# EAGLE board ControlModule-pan2 (EAGLE 7.2.0), part 7 of 9 (continued)
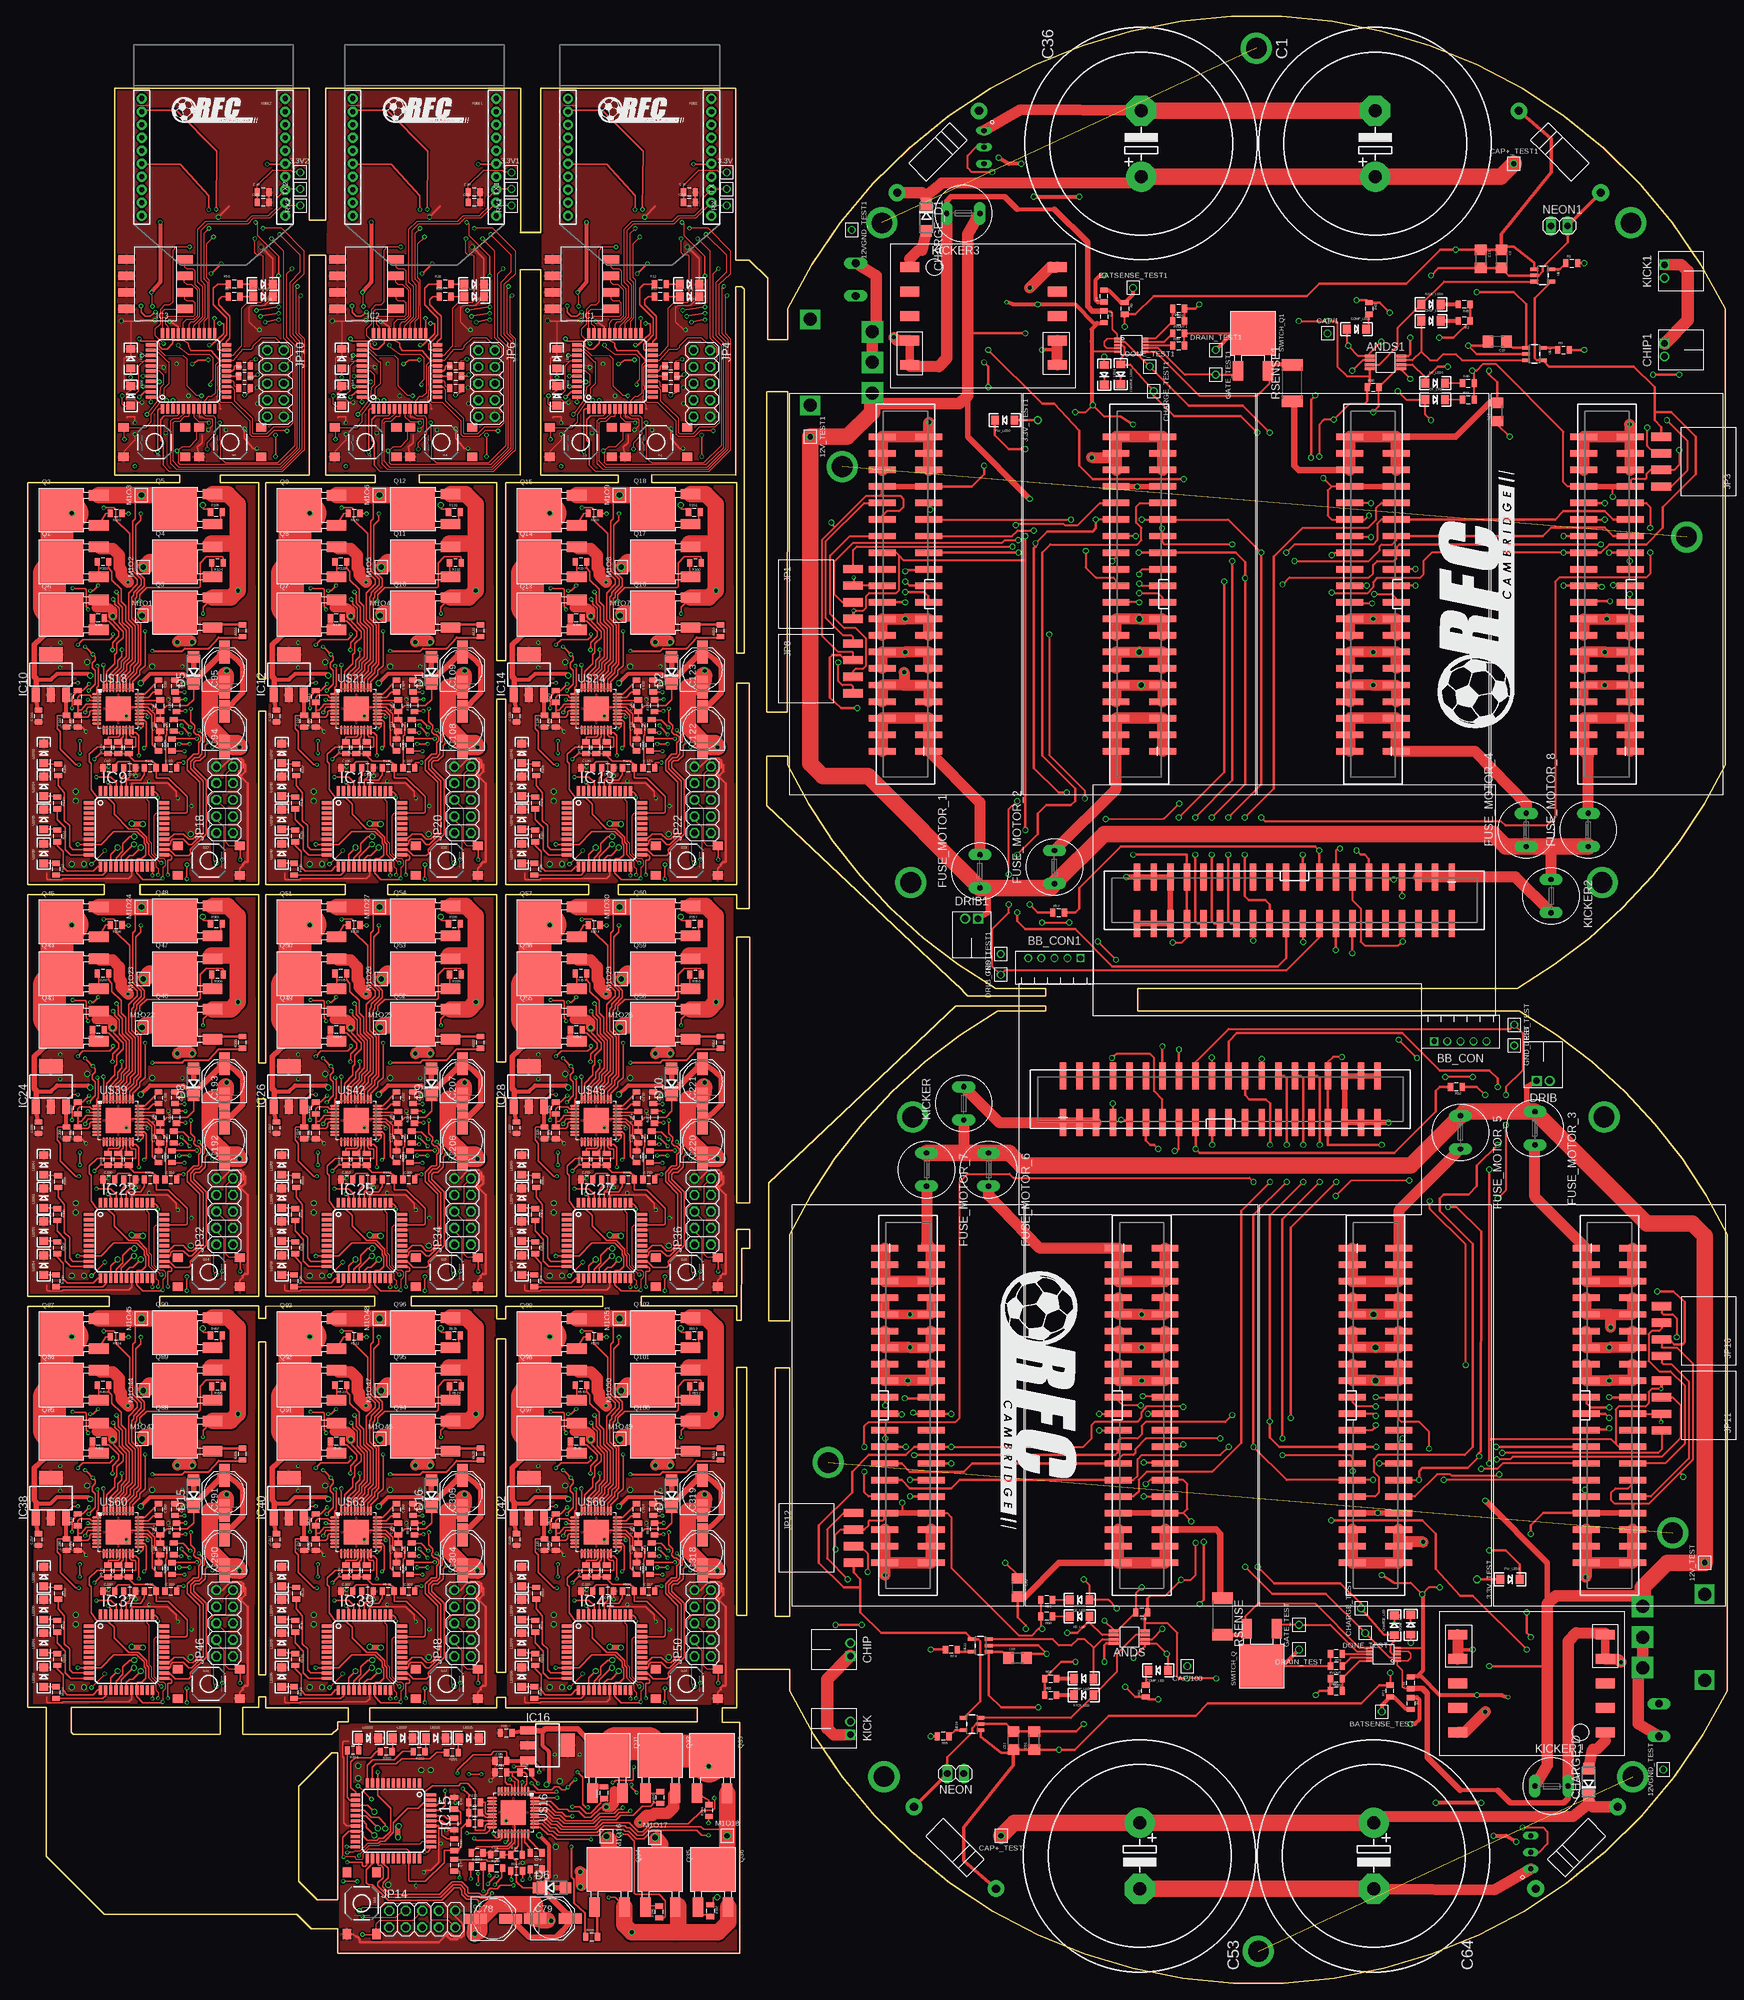
[diagram p0: board, top side]
## Tracks (layer width: path | path; a pad name or v marks a point on that pad's centre or on a via) (continued)
  Bottom 0.254: v86.44,212.38 90.26,212.38 v90.54,212.1
N$140  (via drill 0.3, 0.38)
  Top 0.254: U$24.40 84.95,202.25 v84.92,202.29
  Top 0.305: v92.44,204.47 97.04,204.47 97.42,204.85 101.08,204.85 102.6,206.54 105.72,206.54 R159.1
  Bottom 0.254: v92.44,204.47 91.49,204.47 91.17,204.16 91.17,202.73 90.69,202.25 84.95,202.25 v84.92,202.29
N$141
  Top 0.254: U$24.35 87.45,200.44 88.53,201.52 88.53,202.35 89.36,203.17 89.36,208.06 88.34,209.08 88.34,211.36 87.65,212.06 87.65,213.97 86.25,215.36 86.25,216.63 85.74,217.14 85.74,218.11 R157.1
N$142  (via drill 0.38)
  Top 0.254: U$24.32 88.95,200.03 90.06,201.14 90.06,201.71 90.69,202.41 90.69,208.63 89.8,209.52 89.8,212.47 90.09,212.75 90.09,213.31 91.22,214.44 91.22,215.56 89.85,216.93 89.85,217.92 89.93,218 89.93,223.75 90.69,224.51 v90.69,225.52 | v88.79,225.52 87.85,225.52 R158.1
  Bottom 0.254: v90.69,225.52 v88.79,225.52
N$143  (via drill 0.3)
  Top 0.254: 96.2,192.41 R162.1 95.72,191.91 v96.88,191.91 | U$24.21 90.88,193.33 91.07,193.33 91.07,192.95 90.69,192.57 v90.38,192.57
  Bottom 0.254: v90.38,192.57 90.54,192.57 91.33,191.93 96.89,191.93 96.89,191.91 v96.88,191.91
N$144
  Top 0.254: R165.1 75.91,187.12 LED41.A
N$145
  Top 0.254: LED42.A 77.7,182.18 R166.1
N$146
  Top 0.254: LED43.A 77.7,177.1 R167.1
N$147
  Top 0.254: R168.1 75.79,171.88 LED44.A
N$148  (via drill 0.3)
  Top 0.254: v98.17,191.66 96.93,192.9 v96.93,193.04
  Bottom 0.254: R153.2 97.41,186.38 97.2,186.38 96.57,187.01 96.57,187.8 96.73,187.96 97.84,187.96 98.79,188.92 98.79,189.71 98.95,189.87 98.95,190.34 98.17,191.12 v98.17,191.66 | v96.93,193.04 93.79,193.04 JP21.25
N$149
  Top 0.254: IC13.40 87.67,184.95 88.15,185.42 88.15,186.43 C119.2
N$150
  Top 0.254: U$24.30 91.25,197.83 C118.1
N$151
  Top 0.254: U$24.28 93.27,196.83 C126.2
N$152
  Top 0.254: U$24.25 91.67,195.33 92.38,194.63 92.38,192.54 92.4,192.53 92.4,192.52 92.44,192.47 92.44,190.08 C117.2
N$153  (via drill 0.3)
  Top 0.254: U$24.20 89.45,191.94 89.58,191.93 89.9,191.93 90.38,191.46 v90.38,188.44 | v97.36,189.07 96.04,189.07 R163.1
  Bottom 0.254: v90.38,188.44 91.81,189.07 v97.36,189.07
N$154
  Top 0.254: U$24.18 88.45,190.89 R174.2
N$155
  Top 0.254: U$24.17 87.95,191.33 87.21,190.59 R169.2
N$156
  Top 0.254: 87.45,191.71 U$24.16 87.45,191.51 87.22,191.27 85.64,191.27 | 85.64,191.27 R175.2 | 85.64,191.27
N$157  (via drill 0.3)
  Top 0.254: U$24.22 90.54,193.83 90.54,193.84 91.17,193.84 91.49,193.52 91.49,189.87 v91.17,189.55 | v97.52,195.27 96.04,195.27 R176.1
  Bottom 0.254: v91.17,189.55 96.89,189.55 97.36,189.87 97.36,191.43 97.52,191.6 97.52,192.69 97.62,192.78 97.62,193.46 97.84,193.68 97.84,194.95 v97.52,195.27
N$158
  Bottom 0.254: R177.2 96.73,179.71 96.09,180.34 96.09,181.03 95.62,181.5 95.62,182.06 96.09,182.54 96.09,183.56 95.34,184.31 94.03,184.31 | 94.03,184.31 | JP21.31 93.71,185.5 93.71,184.63 94.03,184.31
N$159
  Top 0.254: 81.01,195.42 81.55,195.42 82.33,196.33 U$24.4 | 81.01,196.22 80.95,196.33 R179.1 81.01,197.33 81.34,197.66 82.83,197.66 83.16,197.33 83.3,197.33 U$24.2 | 83.78,195.33 U$24.6 83.05,195.33 82.84,195.13 82.84,194.67 82.52,194.35 81.24,194.35 R178.2
  Top 0.305: R179.1 81.01,196.22 81.01,195.42 R178.2
N$160
  Top 0.254: U$24.29 91.81,197.33 92.6,198.12 93.34,198.12 C118.2
N$161  (via drill 0.6)
  Top 0.406: v134.65,216.68 134.81,216.84 138.06,216.84 MOTOR5.23
  Bottom 0.406: U$27.1 139.68,191.68 145.13,197 145.13,202.71 139.41,208.43 139.41,211.92 v134.65,216.68
N$162  (via drill 0.6)
  Top 1.676: MOTOR7.7 MOTOR7.9 v206.4,199.22 MOTOR7.10 MOTOR7.8
  Bottom 0.305: U$13.11 255.2,229.61 255.3,229.7
  Bottom 0.813: U$13.11 U$13.10
  Bottom 1.676: 255.3,229.7 239.42,229.7 208.94,199.22 v206.4,199.22
N$163  (via drill 0.6)
  Top 1.676: MOTOR7.12 MOTOR7.14 v206.4,204.3 MOTOR7.13 MOTOR7.11
  Bottom 0.305: U$13.9 255.2,231.51 255.3,231.61
  Bottom 0.813: U$13.8 U$13.9
  Bottom 1.676: 255.3,231.61 238.15,231.61 210.85,204.3 v206.4,204.3
N$164  (via drill 0.6)
  Top 1.676: MOTOR7.16 MOTOR7.18 v206.4,209.38 MOTOR7.17 MOTOR7.15
  Bottom 0.305: U$13.7 255.2,233.61 255.14,233.67
  Bottom 0.813: U$13.6 U$13.7
  Bottom 1.676: v206.4,209.38 212.75,209.38 237.04,233.67 255.14,233.67
N$165  (via drill 0.6)
  Top 0.305: v206.24,211.76 202.99,211.76 MOTOR7.20
  Bottom 0.305: U$13.4 252.5,236.15 251.46,235.1 236.41,235.1 212.44,211.13 206.88,211.13 v206.24,211.76
N$166  (via drill 0.6)
  Top 0.305: v206.56,213.19 209.26,213.19 209.9,212.56 209.9,212 MOTOR7.19
  Bottom 0.305: U$13.3 252.68,237.15 251.11,235.58 236.09,235.58 212.44,211.92 207.83,211.92 v206.56,213.19
N$167  (via drill 0.6)
  Top 0.305: v212.91,214.46 MOTOR7.21
  Bottom 0.305: U$13.2 252.85,238.15 250.76,236.05 235.77,236.05 214.18,214.46 v212.91,214.46
N$168  (via drill 0.6)
  Top 0.305: v212.91,217 MOTOR7.23
  Bottom 0.305: U$13.1 253.03,239.15 250.41,236.53 235.45,236.53 215.93,217 v212.91,217
N$169  (via drill 0.6)
  Top 1.422: MOTOR8.8 MOTOR8.10 v241.96,199.22 MOTOR8.9 MOTOR8.7
  Bottom 0.305: U$14.11 254.57,204.21 254.66,204.3
  Bottom 0.813: U$14.11 U$14.10
  Bottom 1.422: 254.66,204.3 247.04,204.3 v241.96,199.22
N$170  (via drill 0.6)
  Top 1.676: MOTOR8.11 MOTOR8.13 v241.96,204.3 MOTOR8.14 MOTOR8.12
  Bottom 0.406: U$14.9 254.57,206.11 254.66,206.21
  Bottom 0.813: U$14.9 U$14.8
  Bottom 1.676: 254.66,206.21 243.87,206.21 v241.96,204.3
N$171  (via drill 0.6)
  Top 1.676: MOTOR8.15 MOTOR8.17 v242.28,209.38 MOTOR8.18 MOTOR8.16
  Bottom 0.305: U$14.6 254.57,208.33 254.5,208.27
  Bottom 0.813: U$14.7 U$14.6
  Bottom 1.676: 254.5,208.27 243.39,208.27 v242.28,209.38
N$172  (via drill 0.6)
  Top 0.406: v242.76,212.08 238.87,212.08 MOTOR8.20
  Bottom 0.406: U$14.4 244.09,210.75 v242.76,212.08
N$173  (via drill 0.6)
  Top 0.406: v245.77,213.19 245.77,212 MOTOR8.19
  Bottom 0.406: U$14.3 247.22,211.75 v245.77,213.19
N$174  (via drill 0.6)
  Top 0.406: v243.23,214.54 245.77,214.54 MOTOR8.21
  Bottom 0.406: U$14.2 247.56,212.75 245.69,214.54 243.31,214.54 v243.23,214.54
N$175  (via drill 0.6)
  Top 0.406: v245.77,218.27 245.77,217.08 MOTOR8.23
  Bottom 0.406: U$14.1 247.76,213.75 247.04,214.46 247.04,217 v245.77,218.27
N$176  (via drill 3.17)  (1 unrouted)
  other vias: 254.5,221.96 124.96,232.75
N$177  (via drill 0.41 pad 0.25)
  Top 0.254: v35.7,255.81 36.01,255.9 38.47,256.31 v38.49,256.28 | v28.64,255.51 28.64,253.35 IC3.23
  Bottom 0.178: R61.1 24.98,233.92 25.7,233.21 34.99,233.21 35.7,233.92 37.37,235.51 39.75,235.51 41.53,237.29 41.53,251.83 38.95,254.4 38.95,254.72 39.18,254.95 39.18,255.66 38.57,256.28 v38.49,256.28
  Bottom 0.254: v35.7,255.81 35.07,255.81 34.89,255.99 29.14,255.96 v28.64,255.51
N$178  (via drill 0.41 pad 0.25)
  Top 0.178: R60.2 34.11,249.01 v34.99,249.24
  Bottom 0.178: v34.99,249.24 34.11,248.93 29.75,248.93
  Bottom 0.254: 29.75,248.93 29.27,249.48 29.27,252.34 29.11,252.5 JP9.28
N$179  (via drill 0.41 pad 0.25)
  Top 0.254: LED12.A v15.78,246.47
  Bottom 0.254: v15.78,246.47 15.78,247.42 R54.1
N$180  (via drill 0.41 pad 0.25)
  Top 0.178: 15.69,242.02 14.82,242.02 14.48,242.37 v14.48,243.61
  Top 0.254: 15.69,242.02 LED8.A
  Bottom 0.178: R55.1 14.88,243.98 14.85,243.98 v14.48,243.61
N$181
  Top 0.254: R56.1 LED10.A
N$182
  Top 0.254: R57.1 LED11.A
N$183  (via drill 0.41 pad 0.25)
  Top 0.254: R58.2 35.02,246.62 v35.26,246.87 | v27.68,249.11 27.41,249.1 27.3,249.08 26.15,249.08 v25.23,248.49
  Bottom 0.254: v35.26,246.87 35.26,247.63 34.67,248.22 29.3,248.22 v27.68,249.11 | v25.23,248.49 25.25,247.76 JP9.32
N$184  (via drill 0.41 pad 0.25)
  Top 0.254: R59.2 34.14,244.17 v33.23,243.71
  Bottom 0.254: v33.23,243.71 29.77,243.7 29.18,244.29 29.18,246.38 27.8,247.76 27.8,248.09 26.02,249.87 25,249.87 JP9.30
N$185  (via drill 0.6)
  Top 0.305: R79.2 RVOUT.2 189.96,48.66 SWITCH_Q.DRAIN
  Top 0.61: DRAIN_TEST.P$1 192.5,48.66 189.96,48.66 | U$33.P$7 219.41,51.04 219.62,51.26 219.59,51.18 v221.71,51.2
  Top 1.676: U$33.P$6 U$33.P$7
  Bottom 0.61: v221.71,51.2 DRAIN_TEST.P$1
N$186
  Top 0.305: SWITCH_Q.GATE 192.22,55.01 GATE_TEST.P$1 199.8,55.01 203.86,50.95 CHARGE_U.P$7
N$187
  Top 0.305: CHARGE_U.P$8 201.77,50.45 R79.1
N$188
  Top 0.305: CHARGE_U.P$6 204.31,51.45 197.58,58.19 188.69,58.19 186.78,56.28 186.78,54.65 SWITCH_Q.SOURCE
  Top 0.61: RSENSE.2 186.09,53.48 SWITCH_Q.SOURCE
N$189
  Top 0.305: CHARGE_U.P$10 204.35,49.45 C56.1 RBG.2
N$190
  Top 0.305: CHARGE_U.P$9 202.94,49.95 RVOUT.1
N$191
  Top 0.406: R65.1 142.28,38.82 U$34.5
N$192
  Top 0.406: R74.1 142.91,50.89 U$32.5
N$193  (via drill 0.3)
  Top 0.254: v69.1,16.83 v69.1,15.24
  Bottom 0.254: R190.2 63.22,15.98 63.22,16.67 63.54,16.99 65.45,16.99 65.76,17.31 67.03,17.31 67.35,16.99 67.35,15.72 67.83,15.24 v69.1,15.24 | JP13.27 69.57,17.62 v69.1,16.83
N$194
  Bottom 0.254: JP13.29 66.95,19.69 65.92,19.69 65.6,19.37 65.6,17.78 65.22,17.4 63.32,17.4 62.75,16.83 61.67,16.83 61.42,16.59 61.42,15.98 R191.2
N$195
  Top 0.305: 86.58,29.88 Q31.GATE
  Top 0.813: R192.2 86.58,30.15 86.58,29.88
N$196
  Top 0.254: Q32.GATE 96.82,29.18 R193.2
N$197
  Top 0.254: Q33.GATE 104.48,28.07 R194.2
N$198
  Top 0.305: 86.88,12.11 Q34.GATE
  Top 0.406: R195.2 87.39,11.72 Q34.GATE
N$199
  Top 0.254: R196.2 94.88,11.86 Q35.GATE
N$200
  Top 0.254: Q36.GATE 102.85,11.7 102.85,10.47 104.68,10.47 R197.2
N$201  (via drill 0.38)
  Top 0.254: R192.1 88.15,28.08 87.93,27.85 87.93,27.66 86.34,26.07 85.64,26.07 84.67,27.04 83.58,27.04 v83.55,27.07 | U$16.38 79.82,27.45 81,26.26 81.89,26.26 82.53,25.63 v83.54,25.63
  Bottom 0.254: v83.55,27.07 v83.55,25.63 v83.54,25.63
N$202  (via drill 0.38, 0.6)
  Top 0.254: U$16.34 79.21,25.45 80.31,24.36 81.07,24.36 81.83,23.59 87.16,23.59 88.18,24.61 92.27,24.61 93.62,23.26 94.33,23.26 95.52,24.44 101.35,24.44 103.44,26.53 105.08,26.53 105.39,26.85 105.39,28.36 v105.34,28.41 | v105.75,13.21 105.75,13.11 105.15,13.11 105.15,12.04 R197.1
  Bottom 0.254: v105.75,13.21 106.21,13.67 106.21,15.53 108.58,17.9 108.58,25.17 v105.34,28.41
N$203  (via drill 0.38)
  Top 0.254: U$16.37 79.62,26.95 80.81,25.75 81.7,25.75 82.53,24.93 86.59,24.93 87.74,26.04 89.95,26.04 90.59,26.71 91.04,26.71 v91.29,26.96 | R196.1 97.63,10.06 97.83,10.26 97.83,12.67 96.88,13.62 93.26,13.62 93.07,13.81 93.07,21.82 92.03,22.86 v91.01,22.86
  Bottom 0.254: v91.29,26.96 91.29,23.14 v91.01,22.86
N$204  (via drill 0.3, 0.38)
  Top 0.254: U$16.40 81.16,28.45 v81.21,28.48
  Top 0.305: v83.38,20.96 83.38,16.35 83.77,15.97 83.77,12.32 85.45,10.8 85.45,7.68 R195.1
  Bottom 0.254: v83.38,20.96 83.38,21.91 83.07,22.23 81.64,22.23 81.16,22.7 81.16,28.45 v81.21,28.48
N$205
  Top 0.254: U$16.35 79.35,25.95 80.43,24.86 81.26,24.86 82.08,24.04 86.97,24.04 87.99,25.05 90.27,25.05 90.97,25.75 92.88,25.75 94.27,27.15 95.55,27.15 96.05,27.66 97.02,27.66 R193.1
N$206  (via drill 0.38)
  Top 0.254: U$16.32 78.94,24.45 80.05,23.34 80.62,23.34 81.32,22.7 87.54,22.7 88.43,23.59 91.38,23.59 91.66,23.31 92.22,23.31 93.35,22.18 94.47,22.18 95.84,23.55 96.83,23.55 96.92,23.47 102.66,23.47 103.42,22.7 v104.44,22.7 | v104.44,24.61 104.44,25.55 R194.1
  Bottom 0.254: v104.44,22.7 v104.44,24.61
N$207  (via drill 0.3)
  Top 0.254: 71.32,17.2 R198.1 70.82,17.68 v70.82,16.52 | U$16.21 72.24,22.52 72.24,22.32 71.86,22.32 71.48,22.7 v71.48,23.02
  Bottom 0.254: v71.48,23.02 71.48,22.86 70.84,22.07 70.84,16.51 v70.82,16.51 v70.82,16.52
N$208
  Top 0.254: R201.1 66.03,37.49 LED25.A
N$209
  Top 0.254: LED26.A 61.09,35.7 R202.1
N$210
  Top 0.254: LED27.A 56.01,35.7 R203.1
N$211
  Top 0.254: R204.1 50.79,37.61 LED28.A
N$212  (via drill 0.3)
  Top 0.254: v70.57,15.23 71.81,16.47 v71.95,16.47
  Bottom 0.254: R189.2 65.29,15.98 65.29,16.2 65.92,16.83 66.72,16.83 66.87,16.67 66.87,15.56 67.83,14.61 68.62,14.61 68.78,14.45 69.26,14.45 70.04,15.23 v70.57,15.23 | v71.95,16.47 71.95,19.61 JP13.25
N$213
  Top 0.254: IC15.40 63.86,25.73 64.33,25.24 65.34,25.24 C75.2
N$214
  Top 0.254: U$16.30 76.74,22.15 C74.1
N$215
  Top 0.254: U$16.28 75.74,20.13 C82.2
N$216
  Top 0.254: U$16.25 74.24,21.72 73.54,21.02 71.45,21.02 71.44,21 71.43,21 71.38,20.96 68.99,20.96 C73.2
N$217  (via drill 0.3)
  Top 0.254: U$16.20 70.85,23.95 70.84,23.82 70.84,23.5 70.37,23.02 v67.35,23.02 | v67.99,16.04 67.99,17.36 R199.1
  Bottom 0.254: v67.35,23.02 67.99,21.59 v67.99,16.04
N$218
  Top 0.254: U$16.18 69.8,24.95 R210.2
N$219
  Top 0.254: U$16.17 70.24,25.45 69.5,26.19 R205.2
N$220
  Top 0.254: 70.62,25.95 U$16.16 70.42,25.95 70.19,26.18 70.19,27.76 | 70.19,27.76 R211.2 | 70.19,27.76
N$221  (via drill 0.3)
  Top 0.254: U$16.22 72.74,22.86 72.75,22.86 72.75,22.23 72.43,21.91 68.78,21.91 v68.46,22.23 | v74.18,15.88 74.18,17.36 R212.1
  Bottom 0.254: v68.46,22.23 68.46,16.51 68.78,16.04 70.34,16.04 70.51,15.87 71.6,15.87 71.69,15.78 72.37,15.78 72.59,15.56 73.86,15.56 v74.18,15.88
N$222
  Bottom 0.254: R213.2 58.62,16.67 59.25,17.31 59.94,17.31 60.41,17.78 60.97,17.78 61.45,17.31 62.47,17.31 63.22,18.06 63.22,19.37 | 63.22,19.37 | JP13.31 64.41,19.69 63.54,19.69 63.22,19.37
N$223
  Top 0.254: 74.34,32.39 74.34,31.85 75.24,31.07 U$16.4 | 75.13,32.39 75.24,32.45 R215.1 76.24,32.39 76.57,32.06 76.57,30.57 76.24,30.24 76.24,30.1 U$16.2 | 74.24,29.62 U$16.6 74.24,30.35 74.04,30.56 73.58,30.56 73.26,30.88 73.26,32.16 R214.2
  Top 0.305: R215.1 75.13,32.39 74.34,32.39 R214.2
N$224
  Top 0.254: U$16.29 76.24,21.59 77.03,20.8 77.03,20.06 C74.2
N$225  (via drill 0.6)
  Top 0.406: v138.52,51.2 R74.2
  Bottom 0.406: KICK_Q1.GATE 134.51,51.2
  Bottom 1.93: 134.51,51.2 v138.52,51.2
N$226  (via drill 0.6)
  Top 0.406: v138.52,37.87 R65.2
  Bottom 0.406: v138.52,37.87 137.22,37.2 KICK_Q.GATE
N$227
  Top 0.254: R80.1 KE_LED.C
N$228
  Top 0.254: R81.1 CE_LED.C
N$229
  Top 0.305: COMP_LED.C 171.54,47.62 R82.2
N$230
  Top 0.61: KICK_LED.C R85.2
N$231
  Top 0.61: R66.2 CHIP_LED.C
N$232  (via drill 0.6)
  Top 0.305: v212.18,55.01 DONE_LED.C
  Bottom 0.305: R68.1 v212.18,55.01
N$233  (via drill 0.6)
  Top 0.305: CHARGE_LED.C v209.64,55.01
  Bottom 0.305: v209.64,55.01 R67.1
N$234
  Bottom 0.305: R73.2 221.71,144.45 BB_CON.4
N$235
  Bottom 0.305: BB_CON.1 215.8,144.1 217.26,142.64 R75.2
N$236  (via drill 0.6)
  Top 0.406: v224.25,66.44 226.79,66.44 228.92,64.31 PW_LED1.C
  Bottom 0.406: R76.2 225.78,67.98 v224.25,66.44
N$237
  Top 1.676: MOTOR3.1 155.27,112.8 147.42,120.89
  Top 1.778: MOTOR3.1 MOTOR3.3 MOTOR3.5 MOTOR3.6 MOTOR3.4 MOTOR3.2 | FUSE_MOTOR_6.2 147.42,120.89
N$238
  Top 1.676: FUSE_MOTOR_7.2 137.89,113.51 MOTOR4.2
  Top 1.778: MOTOR4.2 MOTOR4.4 MOTOR4.6 MOTOR4.5 MOTOR4.3 MOTOR4.1
N$239
  Top 1.676: FUSE_MOTOR_5.2 210.35,118.59 210.35,112.16
  Top 1.778: MOTOR2.2 210.35,112.16 MOTOR2.4 MOTOR2.6 MOTOR2.5 MOTOR2.3 MOTOR2.1
N$240
  Top 1.676: MOTOR1.1 231.23,120.66 FUSE_MOTOR_3.2
  Top 1.778: MOTOR1.1 MOTOR1.3 MOTOR1.5 MOTOR1.6 MOTOR1.4 MOTOR1.2
N$241
  Top 1.676: KICKER.2 149.08,132.09 COM_BOARD.1 COM_BOARD.3 COM_BOARD.5
N$242  (via drill 3.17)
  other vias: 241.85,132.94
N$243  (via drill 3.17)
  other vias: 135.78,132.94
N$244  (via drill 3.17)
  other vias: 131.36,31.7
N$245  (via drill 3.17)  (1 unrouted)
  other vias: 188.81,4.91 246.27,31.7
N$246
  Bottom 0.406: R86.1 223.93,24.53 221.07,27.07 220.44,27.07 | 220.44,27.07 219.55,27.07 U$35.LOWER_RIGHT | U$36.RIGHT 230.6,25.8 228.06,28.34 224.88,28.34 222.98,30.25 221.71,30.25 220.44,28.98 220.44,27.07
N$247  (via drill 0.6)
  Top 0.305: v229.33,23.9 232.5,23.9 233.14,23.26 233.14,21.36 231.87,20.09 U$36.CENTER
  Bottom 0.305: R86.2 228.69,24.53 v229.33,23.9
  Bottom 0.406: R88.2 R87.1 226.52,18.45 226.79,18.18 228.69,18.18 229.33,18.82 229.96,18.82 230.6,19.45 U$36.CENTER
N$248  (via drill 0.6)
  Top 0.61: v222.98,27.71 v215.99,27.71
  Bottom 0.406: 214.34,27.71 U$35.LOWER_LEFT
  Bottom 0.61: R89.1 228.32,26.81 227.87,27.26 223.42,27.26 v222.98,27.71 | v215.99,27.71 214.34,27.71
N$249  (via drill 0.6)
  Top 0.61: v224.88,22.63 226.79,22.63 v228.37,21.68
  Bottom 0.406: 229.06,36.23 R90.2 | v228.37,21.68 228.37,22.26 R88.1
  Bottom 0.61: R90.2 223.61,35.96 217.26,29.61 217.26,22.63 v224.88,22.63 | U$37.4 229.06,36.23
N$250
  Bottom 0.406: U$37.1 231.41,46.95 R91.2
N$251
  Bottom 1.676: U$47.- 222.1,14.5 219.53,17.07
  Bottom 1.778: 218.4,15.14 219.53,17.07 U$35.TAB
N$252  (via drill 0.8)
  Top 1.676: MOTOR2.8 MOTOR2.10 v206.47,102.64 MOTOR2.9 MOTOR2.7
  Bottom 0.406: U$48.10 255.27,80.51 255.36,80.41
  Bottom 0.813: U$48.10 U$48.11
  Bottom 1.676: 255.36,80.41 253.06,80.41 250.04,77.4 233.3,77.4 226.15,84.46 226.15,92.16 214.56,103.75 207.58,103.75 v206.47,102.64
N$253  (via drill 0.8)
  Top 1.676: MOTOR2.12 MOTOR2.14 v206.78,97.56 MOTOR2.13 MOTOR2.11
  Bottom 0.305: U$48.8 255.27,82.38 255.2,82.32
  Bottom 0.813: U$48.8 U$48.9
  Bottom 1.676: 255.2,82.32 251.63,82.32 248.93,79.62 233.77,79.62 228.22,85.18 228.22,93.59 215.99,105.81 206.78,105.81 203.93,102.96 203.93,100.42 v206.78,97.56
N$254  (via drill 0.8)
  Top 1.676: MOTOR2.16 MOTOR2.18 v206.78,92.48 MOTOR2.17 MOTOR2.15
  Bottom 0.305: U$48.6 255.27,84.45 255.2,84.38
  Bottom 0.813: U$48.6 U$48.7
  Bottom 1.676: 255.2,84.38 250.76,84.38 247.98,81.6 234.57,81.6 230.28,85.89 230.28,94.86 216.79,108.35 205.83,108.35 201.39,103.91 201.39,97.88 v206.78,92.48
N$255  (via drill 0.6)
  Top 0.305: v206.78,89.94 MOTOR2.20
  Bottom 0.305: U$48.4 251.46,86.86 250.92,87.4 250.28,87.4 249.65,86.76 249.65,85.1 247.35,82.79 235.2,82.79 231.79,86.21 231.79,95.42 217.26,109.94 205.36,109.94 199.96,104.54 199.96,96.76 v206.78,89.94
N$256  (via drill 0.6)
  Top 0.305: v206.78,88.51 203.93,88.51 203.29,89.14 203.29,89.86 MOTOR2.19
  Bottom 0.305: U$48.3 251.41,87.86 251.08,88.19 249.96,88.19 249.01,87.24 249.01,85.33 246.95,83.27 235.6,83.27 232.34,86.45 232.34,95.65 217.42,110.58 205.2,110.58 199.32,104.7 199.32,95.97 v206.78,88.51
N$257  (via drill 0.6)
  Top 0.305: v206.78,87.08 206.39,87.4 MOTOR2.21
  Bottom 0.305: U$48.2 249.68,88.86 248.38,87.56 248.38,85.57 246.63,83.83 235.99,83.83 232.98,86.84 232.98,95.81 217.74,111.05 204.88,111.05 198.69,104.86 198.69,95.18 v206.78,87.08
N$258  (via drill 0.6)
  Top 0.305: v206.78,85.65 206.78,85.33 206.31,84.86 MOTOR2.23
  Bottom 0.305: U$48.1 249.57,89.86 247.74,88.03 247.74,85.97 246.15,84.38 236.31,84.38 233.61,87.08 233.61,96.13 218.06,111.69 204.72,111.69 198.05,105.02 198.05,94.38 v206.78,85.65
N$259  (via drill 0.6)
  Top 1.676: 242.85,102.64 MOTOR1.9 MOTOR1.7 | v242.85,100.67 242.85,102.64 | 242.85,102.64 MOTOR1.10 MOTOR1.8
  Bottom 0.406: 255.46,100.89 255.36,100.67
  Bottom 0.813: U$51.10 255.46,100.89 U$51.11
  Bottom 1.676: 255.36,100.67 v242.85,100.67
N$260  (via drill 0.6)
  Top 1.676: MOTOR1.11 MOTOR1.13 v242.66,97.56 MOTOR1.14 MOTOR1.12
  Bottom 0.305: 255.36,102.7 255.49,102.78 U$51.9
  Bottom 0.813: U$51.9 U$51.8
  Bottom 1.676: v242.66,97.56 239.49,100.8 239.49,102.7 255.36,102.7
N$261  (via drill 0.6)
  Top 1.676: MOTOR1.16 MOTOR1.18 v242.66,92.48 MOTOR1.17 MOTOR1.15
  Bottom 0.305: U$51.7 255.46,104.67 U$51.6
  Bottom 1.676: 255.46,104.67 238.38,104.67 236.69,102.89 236.69,100.35 242.66,94.38 v242.66,92.48
N$262  (via drill 0.6)
  Top 0.406: v242.66,89.94 MOTOR1.20
  Bottom 0.406: U$51.4 238.31,107.18 235.04,103.91 235.04,100.1 240.76,94.38 240.76,91.84 v242.66,89.94
N$263  (via drill 0.6)
  Top 0.406: v242.66,88.35 239.8,88.35 239.17,88.99 239.17,89.86 MOTOR1.19
  Bottom 0.406: U$51.3 238.04,108.18 234.09,104.23 234.09,99.78 239.8,94.07 239.8,91.21 v242.66,88.35
N$264  (via drill 0.6)
  Top 0.406: v242.66,86.76 242.03,87.4 MOTOR1.21
  Bottom 0.406: U$51.2 237.84,109.18 233.14,104.54 233.14,99.46 238.85,93.75 238.85,90.57 v242.66,86.76
N$265  (via drill 0.6)
  Top 0.406: v242.66,85.18 242.5,85.02 239.25,85.02 MOTOR1.23
  Bottom 0.406: U$51.1 237.63,110.18 232.18,104.86 232.18,99.15 237.9,93.43 237.9,89.94 v242.66,85.18
N$266  (via drill 0.6)
  Top 1.676: MOTOR3.7 MOTOR3.9 v170.91,102.64 MOTOR3.10 MOTOR3.8
  Bottom 0.305: U$49.11 122.11,72.25 122.01,72.16
  Bottom 0.813: U$49.11 U$49.10
  Bottom 1.676: 122.01,72.16 137.89,72.16 168.37,102.64 v170.91,102.64
N$267  (via drill 0.6)
  Top 1.676: MOTOR3.12 MOTOR3.14 v170.91,97.56 MOTOR3.13 MOTOR3.11
  Bottom 0.305: U$49.9 122.11,70.35 122.01,70.25
  Bottom 0.813: U$49.8 U$49.9
  Bottom 1.676: 122.01,70.25 139.16,70.25 166.46,97.56 v170.91,97.56
N$268  (via drill 0.6)
  Top 1.676: MOTOR3.16 MOTOR3.18 v170.91,92.48 MOTOR3.17 MOTOR3.15
  Bottom 0.305: U$49.7 122.11,68.25 122.17,68.19
  Bottom 0.813: U$49.6 U$49.7
  Bottom 1.676: v170.91,92.48 164.56,92.48 140.27,68.19 122.17,68.19
N$269  (via drill 0.6)
  Top 0.305: v171.07,90.1 174.32,90.1 MOTOR3.20
  Bottom 0.305: U$49.4 124.81,65.71 125.85,66.76 140.9,66.76 164.87,90.73 170.43,90.73 v171.07,90.1
N$270  (via drill 0.6)
  Top 0.305: v170.75,88.67 168.05,88.67 167.41,89.3 167.41,89.86 MOTOR3.19
  Bottom 0.305: U$49.3 124.63,64.71 126.2,66.28 141.22,66.28 164.87,89.94 169.48,89.94 v170.75,88.67
N$271  (via drill 0.6)
  Top 0.305: v164.4,87.4 MOTOR3.21
  Bottom 0.305: U$49.2 124.46,63.71 126.55,65.81 141.54,65.81 163.13,87.4 v164.4,87.4
N$272  (via drill 0.6)
  Top 0.305: v164.4,84.86 MOTOR3.23
  Bottom 0.305: U$49.1 124.28,62.71 126.9,65.33 141.86,65.33 161.38,84.86 v164.4,84.86
N$273  (via drill 0.6)
  Top 1.422: MOTOR4.8 MOTOR4.10 v135.35,102.64 MOTOR4.9 MOTOR4.7
  Bottom 0.305: U$50.11 122.74,97.65 122.65,97.56
  Bottom 0.813: U$50.11 U$50.10
  Bottom 1.422: 122.65,97.56 130.27,97.56 v135.35,102.64
N$274  (via drill 0.6)
  Top 1.676: MOTOR4.11 MOTOR4.13 v135.35,97.56 MOTOR4.14 MOTOR4.12
  Bottom 0.406: U$50.9 122.74,95.75 122.65,95.65
  Bottom 0.813: U$50.9 U$50.8
  Bottom 1.676: 122.65,95.65 133.44,95.65 v135.35,97.56
N$275  (via drill 0.6)
  Top 1.676: MOTOR4.15 MOTOR4.17 v135.03,92.48 MOTOR4.18 MOTOR4.16
  Bottom 0.305: U$50.6 122.74,93.53 122.81,93.59
  Bottom 0.813: U$50.7 U$50.6
  Bottom 1.676: 122.81,93.59 133.92,93.59 v135.03,92.48
N$276  (via drill 0.6)
  Top 0.406: v134.55,89.78 138.44,89.78 MOTOR4.20
  Bottom 0.406: U$50.4 133.22,91.11 v134.55,89.78
N$277  (via drill 0.6)
  Top 0.406: v131.54,88.67 131.54,89.86 MOTOR4.19
  Bottom 0.406: U$50.3 130.09,90.11 v131.54,88.67
N$278  (via drill 0.6)
  Top 0.406: v134.08,87.32 131.54,87.32 MOTOR4.21
  Bottom 0.406: U$50.2 129.75,89.11 131.62,87.32 134,87.32 v134.08,87.32
N$279  (via drill 0.6)
  Top 0.406: v131.54,83.59 131.54,84.78 MOTOR4.23
  Bottom 0.406: U$50.1 129.55,88.11 130.27,87.4 130.27,84.86 v131.54,83.59
N$280  (via drill 3.17)  (1 unrouted)
  other vias: 122.81,79.91 252.35,69.11
N$289  (via drill 0.3)
  Top 0.254: v23.23,127 v24.81,127
  Bottom 0.254: R294.2 24.07,121.13 23.38,121.13 23.07,121.45 23.07,123.35 22.75,123.67 22.75,124.94 23.07,125.26 24.34,125.26 24.81,125.73 v24.81,127 | JP31.27 22.43,127.48 v23.23,127
N$290
  Bottom 0.254: JP31.29 20.37,124.86 20.37,123.83 20.69,123.51 22.27,123.51 22.65,123.13 22.65,121.22 23.23,120.65 23.23,119.57 23.47,119.33 24.07,119.33 R295.2
N$291
  Top 0.305: 10.18,144.49 Q43.GATE
  Top 0.813: R296.2 9.91,144.49 10.18,144.49
N$292
  Top 0.254: Q44.GATE 10.88,154.73 R297.2
N$293
  Top 0.254: Q45.GATE 11.99,162.39 R298.2
N$294
  Top 0.305: 27.95,144.78 Q46.GATE
  Top 0.406: R299.2 28.34,145.3 Q46.GATE
N$295
  Top 0.254: R300.2 28.2,152.78 Q47.GATE
N$296
  Top 0.254: Q48.GATE 28.36,160.76 29.58,160.76 29.58,162.59 R301.2
N$297  (via drill 0.38)
  Top 0.254: R296.1 11.98,146.06 12.21,145.83 12.4,145.83 13.99,144.24 13.99,143.55 13.02,142.57 13.02,141.49 v12.98,141.45 | U$39.38 12.61,137.72 13.8,138.91 13.8,139.8 14.43,140.43 v14.43,141.45
  Bottom 0.254: v12.98,141.45 v14.43,141.45
N$298  (via drill 0.38, 0.6)
  Top 0.254: U$39.34 14.61,137.12 15.7,138.21 15.7,138.97 16.46,139.74 16.46,145.07 15.45,146.09 15.45,150.18 16.8,151.53 16.8,152.24 15.61,153.42 15.61,159.26 13.52,161.35 13.52,162.98 13.21,163.3 11.7,163.3 v11.65,163.24 | v26.84,163.66 26.95,163.66 26.95,163.05 28.01,163.05 R301.1
  Bottom 0.254: v26.84,163.66 26.38,164.12 24.53,164.12 22.16,166.49 14.89,166.49 v11.65,163.24
N$299  (via drill 0.38)
  Top 0.254: U$39.37 13.11,137.52 14.3,138.72 14.3,139.61 15.13,140.43 15.13,144.5 14.01,145.65 14.02,147.86 13.35,148.5 13.35,148.94 v13.1,149.2 | R300.1 30,155.54 29.8,155.74 27.38,155.74 26.43,154.78 26.43,151.17 26.24,150.97 18.24,150.97 17.2,149.94 v17.2,148.91
  Bottom 0.254: v13.1,149.2 16.92,149.2 v17.2,148.91
N$300  (via drill 0.3, 0.38)
  Top 0.254: U$39.40 11.61,139.06 v11.58,139.11
  Top 0.305: v19.1,141.29 23.7,141.29 24.08,141.67 27.73,141.67 29.26,143.35 32.38,143.35 R299.1
  Bottom 0.254: v19.1,141.29 18.15,141.29 17.83,140.97 17.83,139.54 17.35,139.07 11.6,139.07 v11.58,139.11
N$301
  Top 0.254: U$39.35 14.11,137.25 15.19,138.34 15.19,139.16 16.02,139.99 16.02,144.88 15,145.89 15,148.18 14.3,148.88 14.3,150.78 12.91,152.18 12.91,153.45 12.4,153.96 12.4,154.93 R297.1
N$302  (via drill 0.38)
  Top 0.254: U$39.32 15.61,136.85 16.72,137.96 16.72,138.53 17.35,139.23 17.35,145.45 16.46,146.34 16.46,149.28 16.75,149.57 16.75,150.13 17.88,151.26 17.88,152.37 16.5,153.75 16.5,154.74 16.59,154.82 16.59,160.56 17.35,161.33 v17.35,162.34 | v15.45,162.34 14.5,162.34 R298.1
  Bottom 0.254: v17.35,162.34 v15.45,162.34
N$303  (via drill 0.3)